# Altium PCB OpenPLCv0.2.0.PcbDoc (part 1 of 6) (continued)
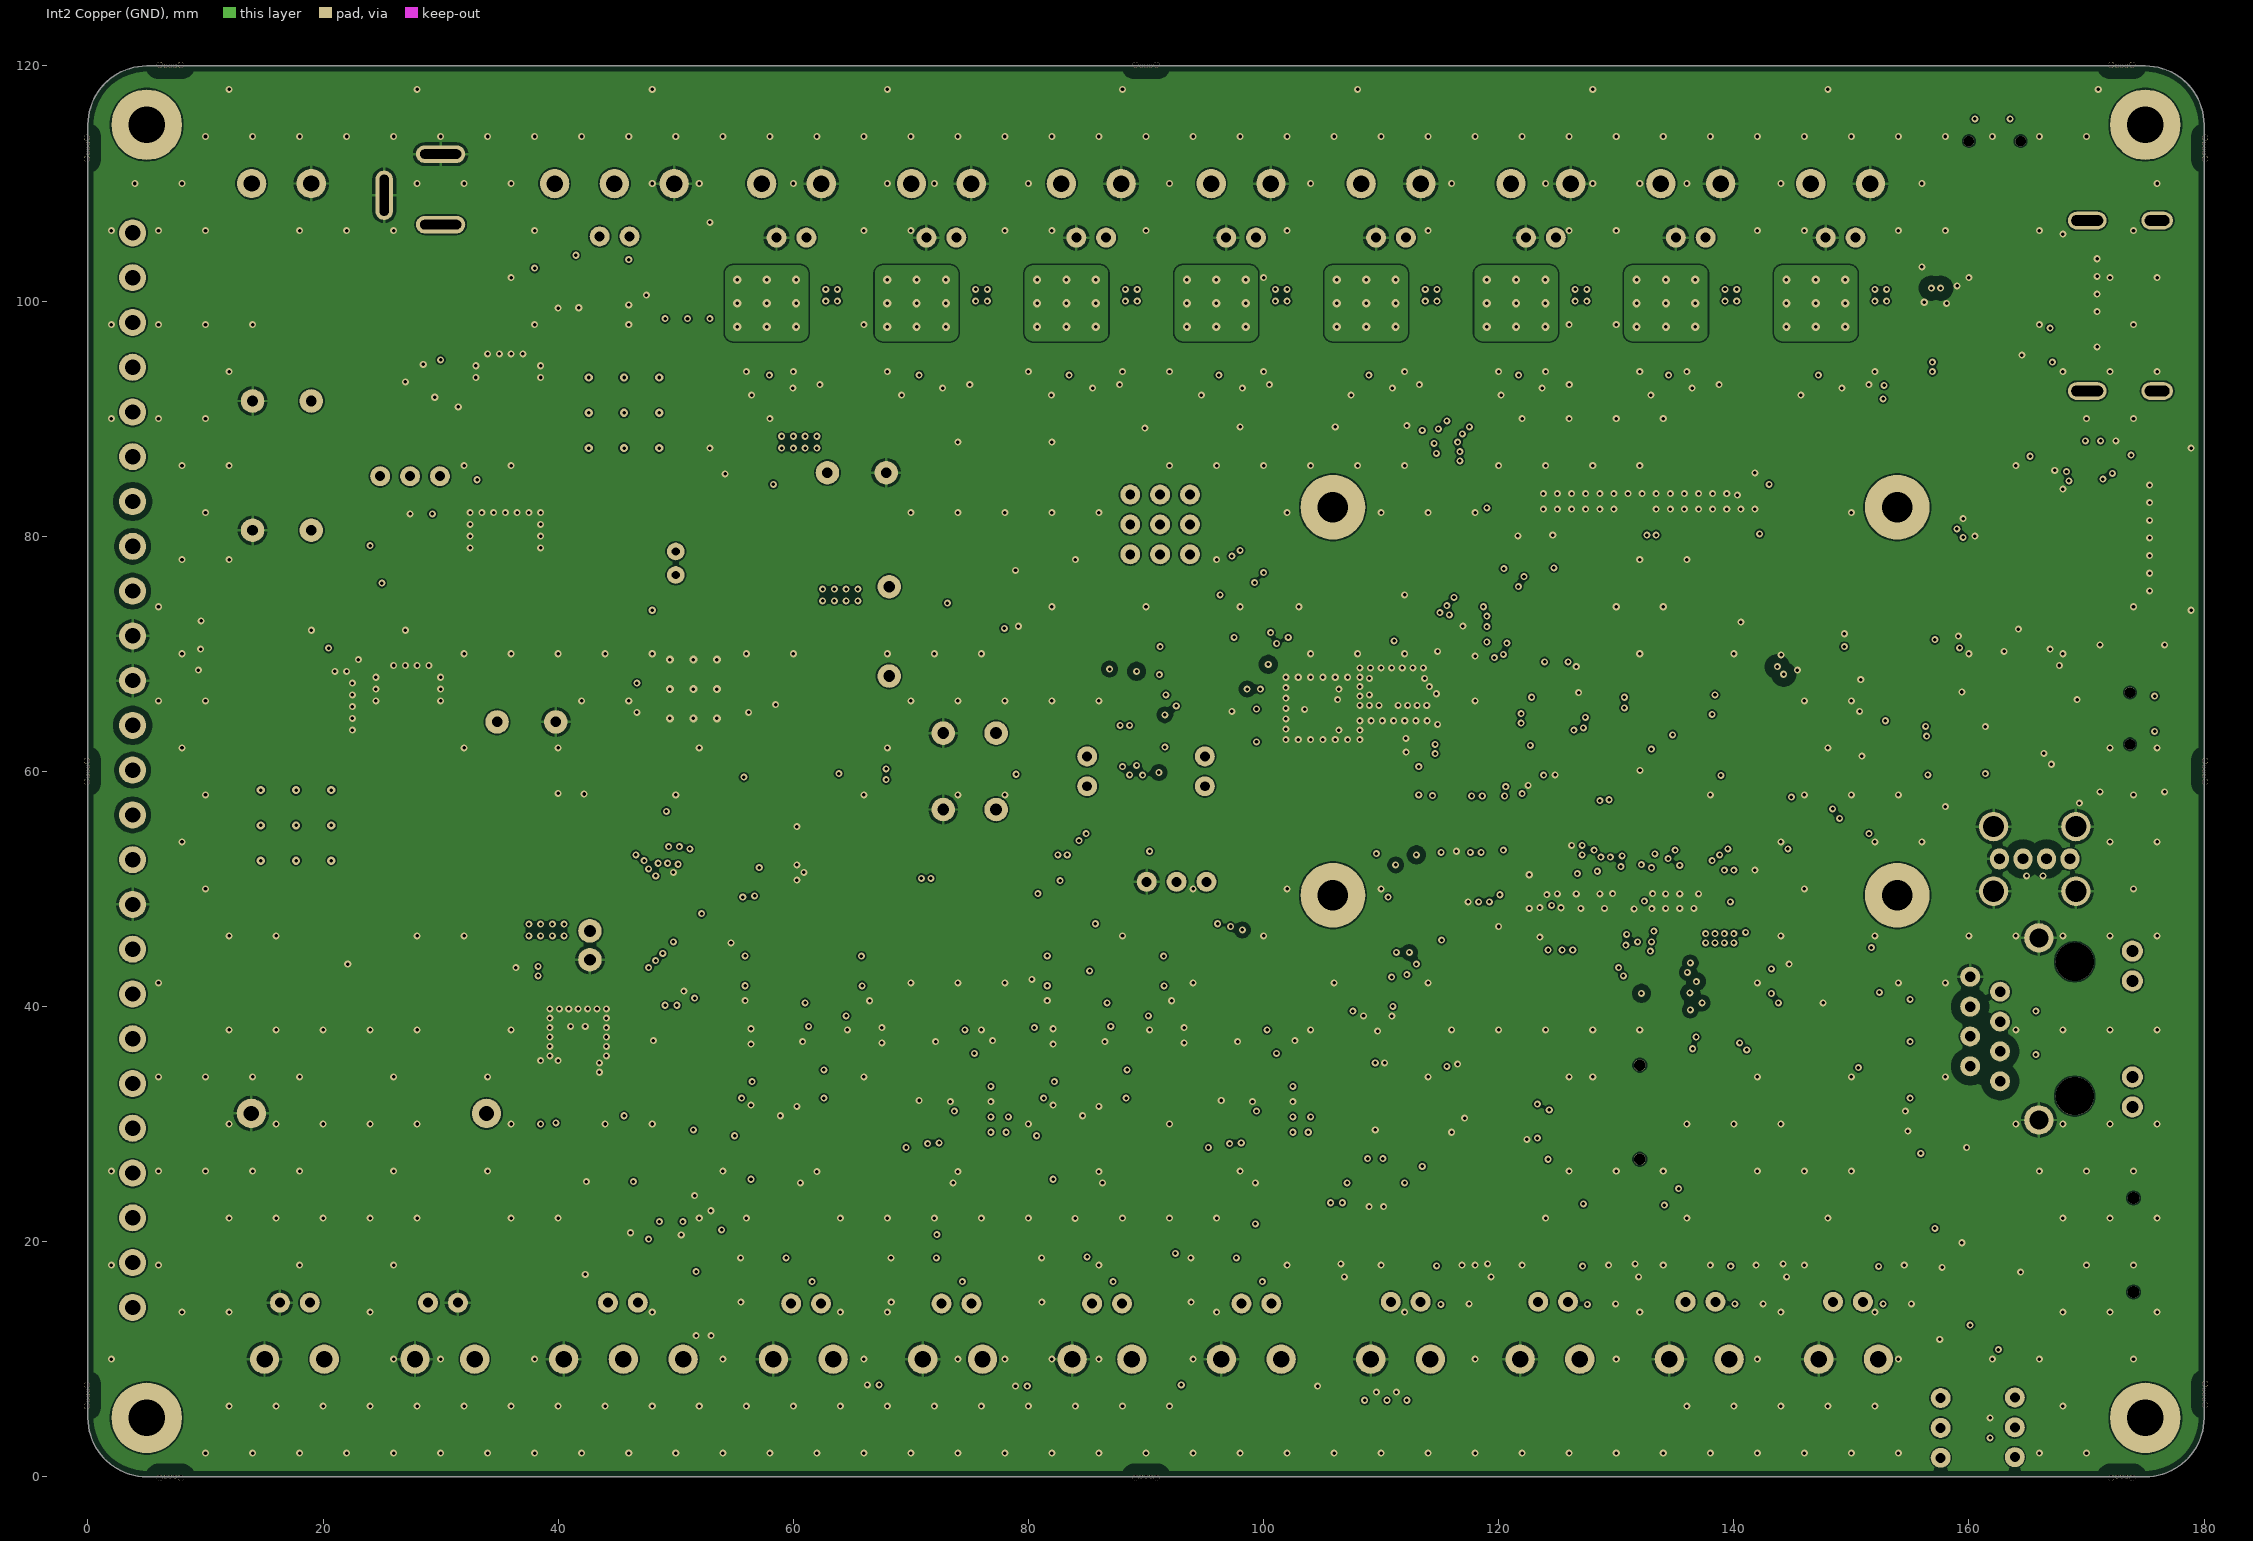
[diagram p3: Int2 Copper (GND)]
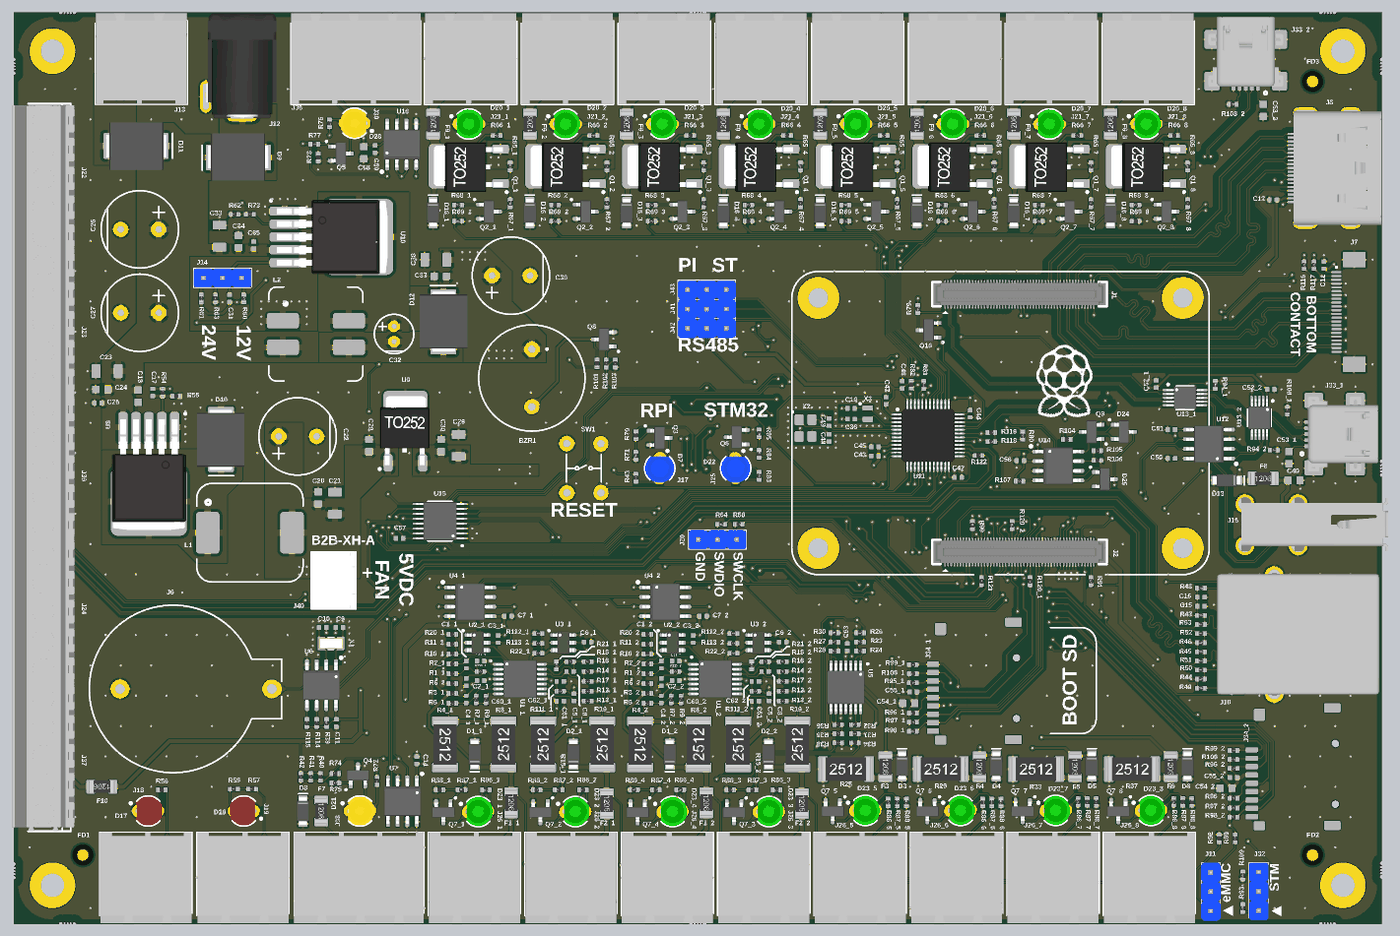
[diagram p9: 3D render of the assembled board from above, using the file's embedded part models]

## Layer stack, top to bottom
Top Solder: solder mask 0.0127, SM-001, Dk 3.8
Top Copper: signal copper 0.035
Dielectric 2: prepreg 0.1, PP-2313, Dk 4.05
Int1 Copper (GND): signal copper 0.0175
Dielectric 6: core 1.265, Core, Dk 4.3
Int2 Copper (GND): signal copper 0.0175
Dielectric 7: prepreg 0.1, PP-2313, Dk 4.05
Bottom Copper: signal copper 0.035
Bottom Solder: solder mask 0.0127, SM-001, Dk 3.8

## Board outline
0,5 ccw(c5,5) 5,0 175,0 ccw(c175,5) 180,5 180,115 ccw(c175,115) 175,120 5,120 ccw(c5,115) 0,115

## Design rules (kind name [scope] priority, off if disabled: settings)
BoardOutlineClearance BoardOutlineClearance_Mousebite [HasFootprint('MOUSEBITE')] p1: gap=0 ignorepadtopadclearanceinfootprint=FALSE
BoardOutlineClearance [All] p2: gap=0.5 ignorepadtopadclearanceinfootprint=FALSE
Clearance Clearance_Mousebite [HasFootprint('MOUSEBITE')] p1: gap=1 ignorepadtopadclearanceinfootprint=FALSE
Clearance Clearance_Fiducial [HasFootprint('Fiducial')] p2: gap=0.9 ignorepadtopadclearanceinfootprint=FALSE
Clearance Clearance_100R_GNDPour [InNetClass('100R_PAIRS') vs InPolygon and InNet('GND')] p3: gap=0.762 ignorepadtopadclearanceinfootprint=FALSE
Clearance Clearance_90R_GNDPour [InNetClass('90R_PAIRS') vs InPolygon and InNet('GND')] p4: gap=0.762 ignorepadtopadclearanceinfootprint=FALSE
Clearance Clearance_100R_OtherNets [InNetClass('100R_PAIRS') and (not WithinRoom('RJ45Connector')) and (not WithinRoom('HDMIConnector'))  and (not WithinRoom('FFCConnector')) and (not WithinRoom('CM4Connector')) and (not WithinRoom('DF40Connector_1')) and (not WithinRoom('DF40Connector_2')) vs not InNetClass('100R_PAIRS') and (not WithinRoom('RJ45Connector')) and (not WithinRoom('HDMIConnector'))  and (not WithinRoom('FFCConnector')) and (not WithinRoom('CM4Connector')) and (not WithinRoom('DF40Connector_1')) and (not WithinRoom('DF40Connector_2')) and (not IsVia)] p5: gap=0.762 ignorepadtopadclearanceinfootprint=FALSE
Clearance Clearance_90R_OtherNets [InNetClass('90R_PAIRS') and (not WithinRoom('USBBConnector_1')) and (not WithinRoom('USBBConnector_2')) and (not WithinRoom('USBAConnector')) and (not WithinRoom('DF40Connector_1')) and (not WithinRoom('DF40Connector_2')) and (not WithinRoom('USBSwitches')) and (not WithinRoom('STM32')) vs not InNetClass('90R_PAIRS') and (not WithinRoom('USBBConnector_1')) and (not WithinRoom('USBBConnector_2')) and (not WithinRoom('USBAConnector')) and (not WithinRoom('DF40Connector_1')) and (not WithinRoom('DF40Connector_2')) and (not WithinRoom('USBSwitches')) and (not WithinRoom('STM32')) and (not IsVia)] p6: gap=0.762 ignorepadtopadclearanceinfootprint=FALSE
Clearance Clearance_100R_OtherPairs [InNetClass('100R_PAIRS') and (not WithinRoom('RJ45Connector')) and (not WithinRoom('HDMIConnector'))  and (not WithinRoom('FFCConnector')) and (not WithinRoom('CM4Connector')) and (not WithinRoom('DF40Connector_1')) and (not WithinRoom('DF40Connector_2')) vs (not WithinRoom('RJ45Connector')) and (not WithinRoom('HDMIConnector'))  and (not WithinRoom('FFCConnector')) and (not WithinRoom('CM4Connector')) and (not WithinRoom('DF40Connector_1')) and (not WithinRoom('DF40Connector_2'))] p7: gap=0.762 ignorepadtopadclearanceinfootprint=TRUE
Clearance Clearance_90R_OtherPairs [InNetClass('90R_PAIRS') and (not WithinRoom('USBBConnector_1')) and (not WithinRoom('USBBConnector_2')) and (not WithinRoom('USBAConnector')) and (not WithinRoom('DF40Connector_1')) and (not WithinRoom('DF40Connector_2')) and (not WithinRoom('USBSwitches')) vs (not WithinRoom('USBBConnector_1')) and (not WithinRoom('USBBConnector_2')) and (not WithinRoom('USBAConnector')) and (not WithinRoom('DF40Connector_1')) and (not WithinRoom('DF40Connector_2'))  and (not WithinRoom('USBSwitches'))] p8: gap=0.762 ignorepadtopadclearanceinfootprint=TRUE
Clearance Clearance_SDIO_DATA [InNetClass('SDIO_DATA') and (not WithinRoom('SDIOConnector_1')) and (not WithinRoom('SDIOConnector_2')) and (not WithinRoom('DF40Connector_1')) and (not WithinRoom('DF40Connector_2')) vs (not InNetClass('SDIO_DATA')) and (not WithinRoom('SDIOConnector_1')) and (not WithinRoom('SDIOConnector_2')) and (not WithinRoom('DF40Connector_1')) and (not WithinRoom('DF40Connector_2'))] p9: gap=0.4 ignorepadtopadclearanceinfootprint=FALSE // DATA lines can sit next to each other but must be certain distance from other traces. Enough room to route a gnd trace between.
Clearance Clearance_SPI_DATA [InNetClass('SPI_DATA') and (not WithinRoom('DF40Connector_1')) and (not WithinRoom('DF40Connector_2')) and (not WithinRoom('STM32')) vs (not InNetClass('SPI_DATA')) and (not WithinRoom('DF40Connector_1')) and (not WithinRoom('DF40Connector_2')) and (not WithinRoom('STM32'))] p10: gap=0.4 ignorepadtopadclearanceinfootprint=FALSE // DATA lines can sit next to each other but must be certain distance from other traces
Clearance Clearance_SDIO_CLK_CMD [InNetClass('SDIO_cLK_CMD') and (not WithinRoom('SDIOConnector_1')) and (not WithinRoom('SDIOConnector_2')) and (not WithinRoom('DF40Connector_1')) and (not WithinRoom('DF40Connector_2')) vs (not WithinRoom('SDIOConnector_1')) and (not WithinRoom('SDIOConnector_2')) and (not WithinRoom('DF40Connector_1')) and (not WithinRoom('DF40Connector_2'))] p11: gap=0.5 ignorepadtopadclearanceinfootprint=FALSE // CLK and CMD lines must be certain distance from other traces. Enough room to route a gnd trace between.
Clearance Clearance_SPI_CLK [InNetClass('SPI_CLK') and (not WithinRoom('DF40Connector_1')) and (not WithinRoom('DF40Connector_2')) and (not WithinRoom('STM32')) vs (not WithinRoom('DF40Connector_1')) and (not WithinRoom('DF40Connector_2')) and (not WithinRoom('STM32'))] p12: gap=0.5 ignorepadtopadclearanceinfootprint=FALSE // CLK lines must be certain distance from other traces
Clearance [All] p13: gap=0.127 ignorepadtopadclearanceinfootprint=FALSE // General baseline clearance rule
ComponentClearance ComponentClearance_3.81mmScrewTerminal [HasFootprint('WJ124-3.81-5P_BoardEdgeAlt') vs HasFootprint('WJ124-3.81-5P_BoardEdgeAlt')] p1: gap=0 collisioncheckmode=3 verticalgap=0 showdistances=FALSE // Allow banking of screw terminals
ComponentClearance ComponentClearance_485RemapHeader [HasFootprint('Header_3POS') vs HasFootprint('Header_3POS')] p2: gap=0 collisioncheckmode=3 verticalgap=0 showdistances=FALSE // Allow banking of 100mil dupont posts for 485 remap with jumpers
ComponentClearance ComponentClearance_ComputeModule [HasFootprint('DF40HC(3.0)-100DS-0.4V(51')] p3: gap=0 collisioncheckmode=3 verticalgap=0 showdistances=FALSE // Clearance from 3D models
ComponentClearance ComponentClearance_LEDStandoff [HasFootprint('3MM_LED_SPACER_6.4MM') vs HasFootprint('LED_3MM_SPACED_6.4MM_RED') or HasFootprint('LED_3MM_SPACED_6.4MM_BLUE') or HasFootprint('LED_3MM_SPACED_6.4MM_GREEN') or HasFootprint('LED_3MM_SPACED_6.4MM_YELLOW')] p4: gap=0 collisioncheckmode=3 verticalgap=0 showdistances=FALSE // Allow LED standoffs to sit close to LEDs
ComponentClearance [All] p5: gap=0.254 collisioncheckmode=3 verticalgap=0.254 showdistances=FALSE
DiffPairsRouting Width_DIFF_120R [InDifferentialPairClass('120R_DIFF_PAIRS')] p1: maxlimit=0.7 minlimit=0.7 mostfreqgap=0.7 toplayer_minwidth=0.127 toplayer_maxwidth=0.127 toplayer_prefwidth=0.127 bottomlayer_minwidth=0.127 bottomlayer_maxwidth=0.127 bottomlayer_prefwidth=0.127 impedanceprofiledriven=TRUE impedanceprofileid={DE501704-E0FB-4F5F-B995-7EDF1C2087FF} impedanceprofilevalue=120.000000 maxuncoupledlength=1000
DiffPairsRouting Width_DIFF_100R [InDifferentialPairClass('100R_DIFF_PAIRS')] p2: maxlimit=0.254 minlimit=0.156 mostfreqgap=0.254 toplayer_mingap=0.2 toplayer_maxgap=0.2 toplayer_prefgap=0.2 toplayer_minwidth=0.127 toplayer_maxwidth=0.127 toplayer_prefwidth=0.127 bottomlayer_mingap=0.2 bottomlayer_maxgap=0.2 bottomlayer_prefgap=0.2 bottomlayer_minwidth=0.127 bottomlayer_maxwidth=0.127 bottomlayer_prefwidth=0.127 impedanceprofiledriven=TRUE impedanceprofileid={225BCD83-D166-4698-875D-5D79B6E3B965} impedanceprofilevalue=100.000000 maxuncoupledlength=7.5
DiffPairsRouting Width_DIFF_90R [InDifferentialPairClass('90R_DIFF_PAIRS')] p3: maxlimit=0.254 minlimit=0.13 mostfreqgap=0.254 toplayer_maxgap=0.13 toplayer_prefgap=0.13 toplayer_minwidth=0.127 toplayer_maxwidth=0.127 toplayer_prefwidth=0.127 bottomlayer_maxgap=0.13 bottomlayer_prefgap=0.13 bottomlayer_minwidth=0.127 bottomlayer_maxwidth=0.127 bottomlayer_prefwidth=0.127 impedanceprofiledriven=TRUE impedanceprofileid={CFA11FB4-E711-433F-B51A-AE99425E7A97} impedanceprofilevalue=90.000000 maxuncoupledlength=150
Height Height_ComputeModule [WithinRoom('ComputeModuleRoom') and not HasFootprint('DF40HC(3.0)-100DS-0.4V(51')] p1: minheight=0 maxheight=1.5 prefheight=1 // All items under compute module must have max 1.5mm height when using 3mm DF40 connectors
Height [All] p2: minheight=0 maxheight=25.4 prefheight=12.7
HoleSize [All] p1: absolutevalues=TRUE maxlimit=4 minlimit=0.2 maxpercent=80.000 minpercent=20.000
HoleToHoleClearance [All] p1: gap=0.5 allowstackedmicrovias=TRUE
MinimumAnnularRing [All] p1: minimumring=0.13
MinimumSolderMaskSliver [All] p1: minsoldermaskwidth=0.07
PolygonConnect PolygonConnect_Power1 [IsNamedPolygon('POWER_ID1')] p1: thpad.connectstyle=Relief thpad.reliefconductorwidth=0.4 thpad.reliefentries=4 thpad.polygonreliefangle="90 Angle" thpad.airgapwidth=0.3 smdpad.connectstyle=Relief smdpad.reliefconductorwidth=0.4 smdpad.reliefentries=4 smdpad.polygonreliefangle="90 Angle" smdpad.airgapwidth=0.3 via.connectstyle=Direct via.reliefconductorwidth=0.254 via.reliefentries=4 via.polygonreliefangle="90 Angle" via.airgapwidth=0.254
PolygonConnect PolygonConnect_Power2 [IsNamedPolygon('POWER_ID2')] p2: thpad.connectstyle=Relief thpad.reliefconductorwidth=0.8 thpad.reliefentries=4 thpad.polygonreliefangle="90 Angle" thpad.airgapwidth=0.4 smdpad.connectstyle=Relief smdpad.reliefconductorwidth=0.8 smdpad.reliefentries=4 smdpad.polygonreliefangle="90 Angle" smdpad.airgapwidth=0.4 via.connectstyle=Direct via.reliefconductorwidth=0.254 via.reliefentries=4 via.polygonreliefangle="90 Angle" via.airgapwidth=0.254
PolygonConnect PolygonConnect_DirectExceptions [IsNamedPolygon('direct')] p3: connectstyle=Direct reliefconductorwidth=0.254 reliefentries=4 polygonreliefangle="90 Angle" airgapwidth=0.254 // Allow specailly named polygons to avoid thermal relief
PolygonConnect PolygonConnect_Default [All] p4: thpad.connectstyle=Relief thpad.reliefconductorwidth=0.25 thpad.reliefentries=4 thpad.polygonreliefangle="90 Angle" thpad.airgapwidth=0.25 smdpad.connectstyle=Relief smdpad.reliefconductorwidth=0.25 smdpad.reliefentries=4 smdpad.polygonreliefangle="90 Angle" smdpad.airgapwidth=0.25 via.connectstyle=Direct via.reliefconductorwidth=0.254 via.reliefentries=4 via.polygonreliefangle="90 Angle" via.airgapwidth=0.254
RoomDefinition STM32 [False] p1: confinementstyle=ConfineIn formatcopy=TRUE lockcomponents=FALSE outline 104.1,72.6 128.9,72.6 128.9,56.2 104.1,56.2
RoomDefinition SDIOconnector_1 [False] p2: confinementstyle=ConfineIn formatcopy=TRUE lockcomponents=FALSE outline 158,29.622 179.6,29.622 179.6,11.5 158,11.5
RoomDefinition AO2 [InComponentClass('AO2')] p3: confinementstyle=ConfineIn formatcopy=TRUE lockcomponents=FALSE outline 80.024,-0.118 105.324,-0.118 105.324,46.2 80.024,46.2
RoomDefinition RJ45Connector [InComponentClass('OpenPLCv0.2.0_TopLevel')] p4: confinementstyle=ConfineIn formatcopy=TRUE lockcomponents=FALSE outline 154,47.406 180.5,47.406 180.5,29.2 154,29.2
RoomDefinition USBSwitches [False] p5: confinementstyle=ConfineIn formatcopy=TRUE lockcomponents=FALSE outline 148.9,72 166.3,72 166.3,60.2 148.9,60.2
RoomDefinition USBAConnector [False] p6: confinementstyle=ConfineIn formatcopy=TRUE lockcomponents=FALSE outline 159.9,57.2 181.6,57.2 181.6,48 159.9,48
RoomDefinition 1Wire [InComponentClass('1Wire')] p7: confinementstyle=ConfineIn formatcopy=TRUE lockcomponents=FALSE outline 36.721,-0.2 54.1,-0.2 54.1,22.6 36.721,22.6
RoomDefinition SDIOconnector_2 [False] p8: confinementstyle=ConfineIn formatcopy=TRUE lockcomponents=FALSE outline 116.1,35 126.3,35 126.3,23.4 116.1,23.4
RoomDefinition LED_AI3 [InComponentClass('LED_AI3')] p9: confinementstyle=ConfineIn formatcopy=TRUE lockcomponents=FALSE outline 92.99,12.327 105.07,12.327 105.07,19.327 92.99,19.327
RoomDefinition LED_AI4 [InComponentClass('LED_AI4')] p10: confinementstyle=ConfineIn formatcopy=TRUE lockcomponents=FALSE outline 80.29,12.327 92.37,12.327 92.37,19.327 80.29,19.327
RoomDefinition LED_AI2 [InComponentClass('LED_AI2')] p11: confinementstyle=ConfineIn formatcopy=TRUE lockcomponents=FALSE outline 67.48,12.327 79.56,12.327 79.56,19.327 67.48,19.327
RoomDefinition LED_AI1 [InComponentClass('LED_AI1')] p12: confinementstyle=ConfineIn formatcopy=TRUE lockcomponents=FALSE outline 54.69,12.327 66.77,12.327 66.77,19.327 54.69,19.327
RoomDefinition AO1 [InComponentClass('AO1')] p13: confinementstyle=ConfineIn formatcopy=TRUE lockcomponents=FALSE outline 54.324,-0.118 79.624,-0.118 79.624,46.2 54.324,46.2
RoomDefinition ComputeModuleRoom [InComponentClass('Components Class 1')] p14: confinementstyle=ConfineIn formatcopy=TRUE lockcomponents=FALSE outline 105.9,85.96 154.86,85.96 cw(c154.86,83.42) 157.4,83.42 157.4,48.5 cw(c154.86,48.5) 154.86,45.96 104.94,45.96 cw(c104.94,48.5) 102.4,48.5 102.4,82.46 cw(c105.9,82.46)
RoomDefinition HDMIConnector [False] p15: confinementstyle=ConfineIn formatcopy=TRUE lockcomponents=FALSE outline 165.5,107.9 180.6,107.9 180.6,91 165.5,91
RoomDefinition DF40Connector_1 [False] p16: confinementstyle=ConfineIn formatcopy=TRUE lockcomponents=FALSE outline 120.12,53.7 144.6,53.7 144.6,43.9 120.12,43.9
RoomDefinition DF40Connector_2 [False] p17: confinementstyle=ConfineIn formatcopy=TRUE lockcomponents=FALSE outline 120.2,87.7 144.68,87.7 144.68,77.8 120.2,77.8
RoomDefinition USBBConnector_2 [False] p18: confinementstyle=ConfineIn formatcopy=TRUE lockcomponents=FALSE outline 156.275,120.238 168.3,120.238 168.3,108.8 156.275,108.8
RoomDefinition USBBConnector_1 [False] p19: confinementstyle=ConfineIn formatcopy=TRUE lockcomponents=FALSE outline 169.152,70.756 180.4,70.756 180.4,58.1 169.152,58.1
RoomDefinition FFCConnector [False] p20: confinementstyle=ConfineIn formatcopy=TRUE lockcomponents=FALSE outline 171.5,90.1 180,90.1 180,71.7 171.5,71.7
RoomDefinition RS485 [InComponentClass('RS485')] p21: confinementstyle=ConfineIn formatcopy=TRUE lockcomponents=FALSE outline 53.7,98.7 53.7,120.195 36.3,120.195 36.3,98.7
RoomDefinition BUZZ [InComponentClass('BUZZ')] p22: confinementstyle=ConfineIn formatcopy=TRUE lockcomponents=FALSE outline 80.15,79.7 60.351,79.7 60.351,64 80.15,64
RoomDefinition AI [InComponentClass('AI')] p23: confinementstyle=ConfineIn formatcopy=TRUE lockcomponents=FALSE outline 105.3,-0.2 155.9,-0.2 155.9,39.1 105.3,39.1
RoomDefinition BO8 [InComponentClass('BO8')] p24: confinementstyle=ConfineIn formatcopy=TRUE lockcomponents=FALSE outline 155.562,91.112 155.562,120.195 143.067,120.195 143.067,91.112
RoomDefinition BO7 [InComponentClass('BO7')] p25: confinementstyle=ConfineIn formatcopy=TRUE lockcomponents=FALSE outline 142.813,91.112 142.813,120.195 130.318,120.195 130.318,91.112
RoomDefinition BO6 [InComponentClass('BO6')] p26: confinementstyle=ConfineIn formatcopy=TRUE lockcomponents=FALSE outline 130.064,91.112 130.064,120.195 117.569,120.195 117.569,91.112
RoomDefinition BO5 [InComponentClass('BO5')] p27: confinementstyle=ConfineIn formatcopy=TRUE lockcomponents=FALSE outline 117.315,91.112 117.315,120.195 104.82,120.195 104.82,91.112
RoomDefinition BO4 [InComponentClass('BO4')] p28: confinementstyle=ConfineIn formatcopy=TRUE lockcomponents=FALSE outline 104.566,91.112 104.566,120.195 92.071,120.195 92.071,91.112
RoomDefinition BO3 [InComponentClass('BO3')] p29: confinementstyle=ConfineIn formatcopy=TRUE lockcomponents=FALSE outline 91.817,91.112 91.817,120.195 79.322,120.195 79.322,91.112
RoomDefinition BO2 [InComponentClass('BO2')] p30: confinementstyle=ConfineIn formatcopy=TRUE lockcomponents=FALSE outline 79.068,91.112 79.068,120.195 66.573,120.195 66.573,91.112
RoomDefinition BO1 [InComponentClass('BO1')] p31: confinementstyle=ConfineIn formatcopy=TRUE lockcomponents=FALSE outline 66.319,91.112 66.319,120.195 53.824,120.195 53.824,91.112
RoutingVias [All] p1: holewidth=0.2 width=0.55 viastyle="Through Hole" minholewidth=0.2 minwidth=0.55 maxholewidth=1 maxwidth=2
SilkToSilkClearance [All] p1: silktosilkclearance=0.152
SilkToSolderMaskClearance [IsPad] p1: minsilkscreentomaskgap=0.127 clearancetoexposedcopper=TRUE
SolderMaskExpansion [All] p1: expansion=0.05 istentingtop=FALSE
Width Width_SING_50R [InNetClass('SDIO_CLK_CMD') or InNetClass('SDIO_DATA')  or InNetClass('SPI_CLK') or InNetClass('SPI_DATA')] p1: maxlimit=0.254 minlimit=0.16 preferedwidth=0.254 toplayer_maxwidth=0.16 toplayer_prefwidth=0.16 bottomlayer_maxwidth=0.16 bottomlayer_prefwidth=0.16 impedanceprofiledriven=TRUE impedanceprofileid={34E09357-E852-4B46-A83B-F939338C2CC0} impedanceprofilevalue=50.000000 minimp=50.000000 maximp=50.000000 favimp=50.000000 // Singled ended 50R traces
Width [All] p2: maxlimit=2 minlimit=0.127 preferedwidth=0.127
22 further rules are at their usual default settings.
